# KiCad board EOutside.kicad_pcb (continued)
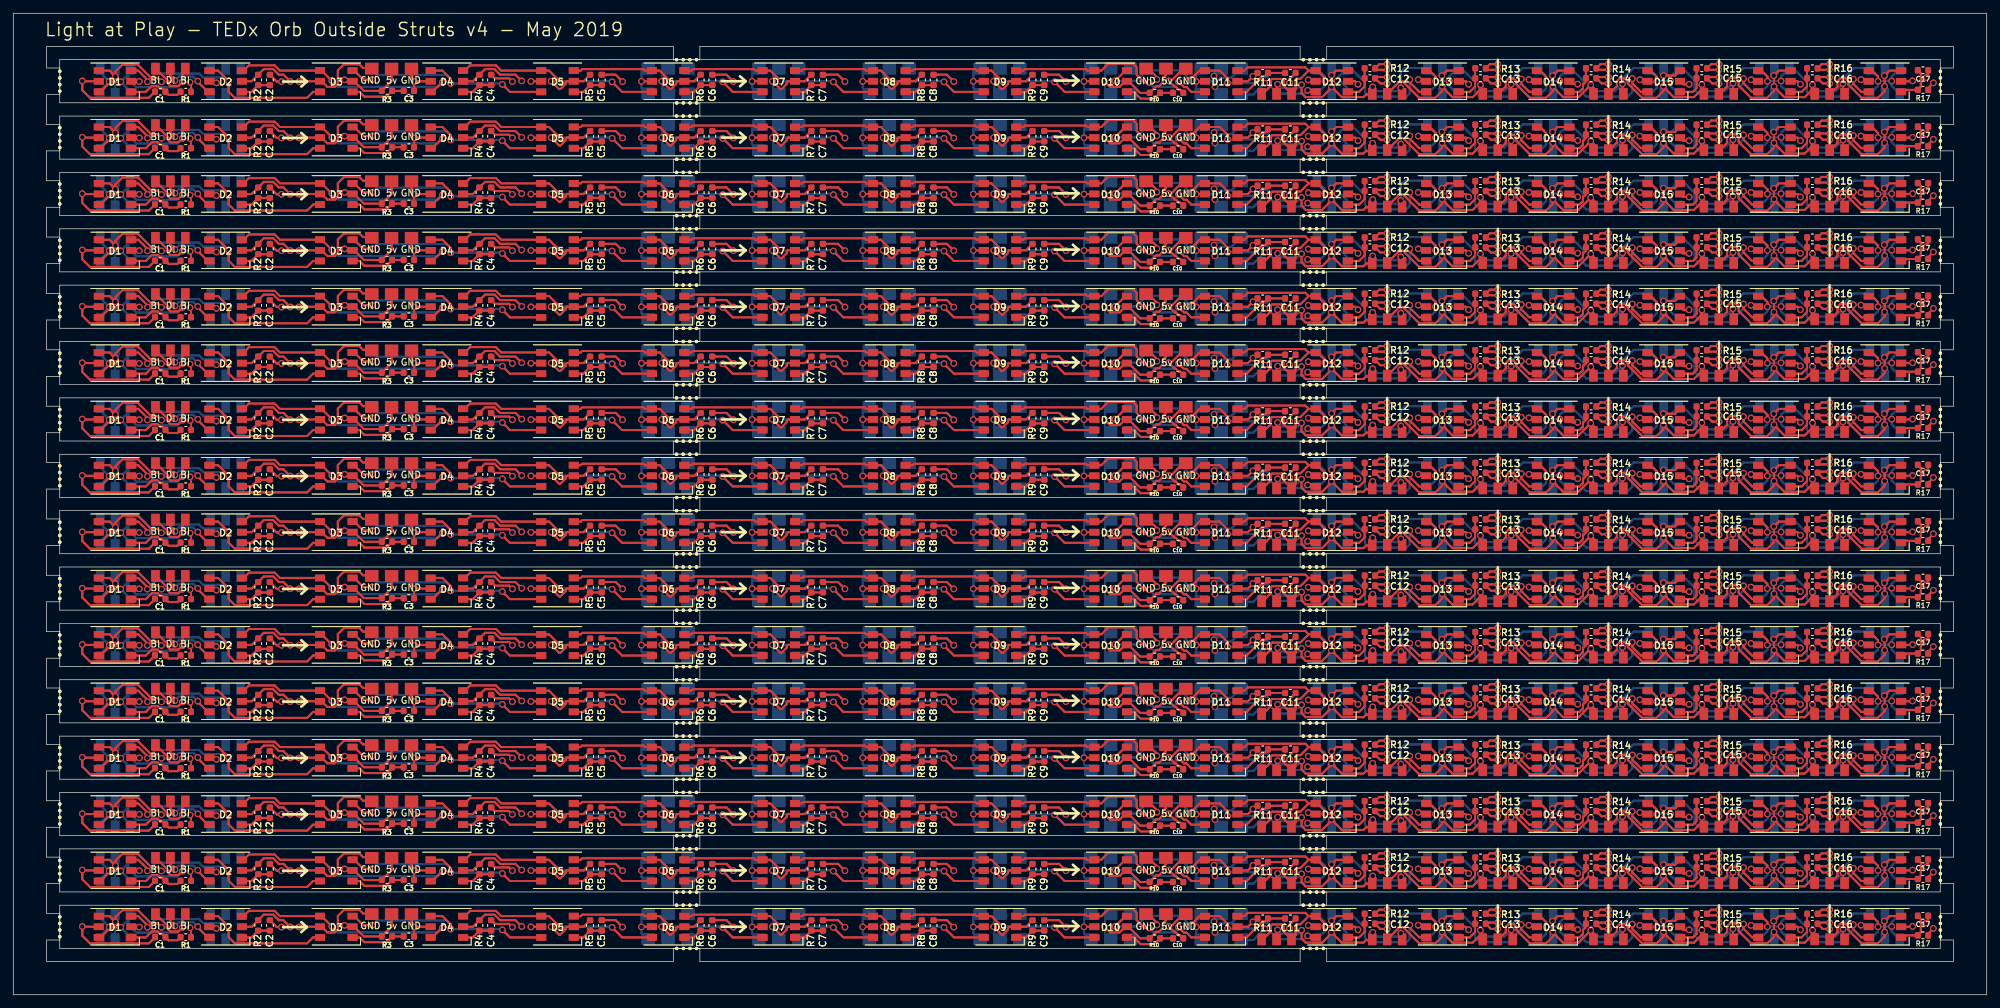
[diagram p0: board, top side]
## Routing (per net, layer and track width the routed paths; a pad name or vN(x,y) marks a point on that pad's centre or on a via; arc(x,y) is an arc through that point) (continued)
GND: length 4982.1
  Top w0.3: 161.34,137.75 v1(161.32,137.73) 161.34,137.75 ; 161.34,137.75 D10.5 161.34,137.75 ; 144.67,137.75 v1(144.65,137.73) 144.67,137.75 ; 144.67,137.75 D9.5 144.67,137.75 ; 128.01,137.75 v1(127.99,137.73) 128.01,137.75 ; 128.01,137.75 D8.5 128.01,137.75 ; 111.34,137.75 v1(111.32,137.73) 111.34,137.75 ; 111.34,137.75 D7.5 111.34,137.75 ; 94.67,137.75 v1(94.65,137.73) 94.67,137.75 ; 94.67,137.75 D6.5 94.67,137.75 ; 78.01,137.75 v1(77.99,137.73) 78.01,137.75 ; 78.01,137.75 D5.5 78.01,137.75 ; 228.5,137.75 228.35,137.9 ; 228.5,137.75 D14.5 228.5,137.75 ; 228.5,137.75 228.35,137.9 ; 228.35,137.9 v1(228.35,137.99) 228.35,137.9 ; 222.02,138.38 221.85,138.2 ; 222.02,138.38 223.67,138.38 222.02,138.38 ; 222.02,138.38 221.85,138.2 ; 221.85,138.2 221.9,138.25 221.85,138.2 ; 221.85,138.2 222.62,137.43 ; 221.85,138.2 222.62,137.43 ; 222.62,137.43 223.67,137.43 222.62,137.43 ; C14.2 238.57,138.25 C14.2 ; C14.2 239.29,137.43 ; C14.2 238.69,138.38 ; C14.2 238.69,138.38 ; C14.2 239.29,137.43 ; 239.29,137.43 240.33,137.43 239.29,137.43 ; 238.69,138.38 240.33,138.38 238.69,138.38 ; 255.36,138.38 257,138.38 255.36,138.38 ; 255.36,138.38 C15.2 ; 255.36,138.38 C15.2 ; C15.2 255.23,138.25 C15.2 ; C15.2 255.96,137.43 ; C15.2 255.96,137.43 ; 255.96,137.43 257,137.43 255.96,137.43 ; C16.2 271.9,138.25 C16.2 ; C16.2 272.62,137.43 ; C16.2 272.02,138.38 ; C16.2 272.02,138.38 ; C16.2 272.62,137.43 ; 272.02,138.38 273.67,138.38 272.02,138.38 ; 272.62,137.43 273.67,137.43 272.62,137.43 ; 272.02,129.88 273.67,129.88 272.02,129.88 ; 272.02,129.88 C16#2.2 ; 272.02,129.88 C16#2.2 ; C16#2.2 272.62,128.93 ; C16#2.2 271.9,129.75 C16#2.2 ; C16#2.2 272.62,128.93 ; 272.62,128.93 273.67,128.93 272.62,128.93 ; 255.96,128.93 C15#2.2 ; 255.96,128.93 257,128.93 255.96,128.93 ; 255.96,128.93 C15#2.2 ; C15#2.2 255.36,129.88 ; C15#2.2 255.23,129.75 C15#2.2 ; C15#2.2 255.36,129.88 ; 255.36,129.88 257,129.88 255.36,129.88 ; 238.69,129.88 C14#2.2 ; 238.69,129.88 240.33,129.88 238.69,129.88 ; 238.69,129.88 C14#2.2 ; C14#2.2 239.29,128.93 ; C14#2.2 238.57,129.75 C14#2.2 ; C14#2.2 239.29,128.93 ; 239.29,128.93 240.33,128.93 239.29,128.93 ; 279.32,129.48 279.09,129.48 ; 279.32,129.48 279.55,129.25 279.32,129.48 ; 279.32,129.48 279.09,129.48 ; 279.09,129.48 v1(278.38,129.48) 279.09,129.48 ; 262.66,129.47 262.53,129.47 ; 262.66,129.47 D16#2.5 262.66,129.47 ; 262.66,129.47 262.53,129.47 ; 262.53,129.47 v1(261.82,129.47) 262.53,129.47 ; 245.78,129.48 v1(245.07,129.48) 245.78,129.48 ; 245.78,129.48 245.99,129.48 ; 245.78,129.48 245.99,129.48 ; 245.99,129.48 D15#2.5 245.99,129.48 ; 178.25,129.25 v1(178.22,129.22) 178.25,129.25 ; 178.25,129.25 D11#2.5 178.25,129.25 ; 176.38,131.25 176.67,131.25 176.38,131.25 ; 176.38,131.25 174.43,129.3 ; 176.38,131.25 174.43,129.3 ; 174.43,129.3 v1(174.1,129.3) ; 174.43,129.3 v1(174.1,129.3) ; v1(174.1,129.3) 175.03,128.38 ; v1(174.1,129.3) 175.03,128.38 ; 222.62,128.93 223.67,128.93 222.62,128.93 ; 222.62,128.93 221.85,129.7 ; 222.62,128.93 221.85,129.7 ; 222.02,129.88 223.67,129.88 222.02,129.88 ; 222.02,129.88 221.85,129.7 ; 222.02,129.88 221.85,129.7 ; 221.85,129.7 221.9,129.75 221.85,129.7 ; 205.96,128.93 207,128.93 205.96,128.93 ; 205.96,128.93 C12#2.2 ; 205.96,128.93 C12#2.2 ; 205.36,129.88 207,129.88 205.36,129.88 ; 205.36,129.88 C12#2.2 ; 205.36,129.88 C12#2.2 ; C12#2.2 205.23,129.75 C12#2.2 ; 228.5,129.25 D14#2.5 228.5,129.25 ; 228.5,129.25 228.35,129.4 ; 228.5,129.25 228.35,129.4 ; 228.35,129.4 v1(228.35,129.49) 228.35,129.4 ; 60.39,129.19 v1(60.4,129.2) ; 60.39,129.19 C3#2.2 60.39,129.19 ; 60.39,129.19 v1(60.4,129.2) ; v1(60.4,129.2) 60,129.6 ; v1(60.4,129.2) 60.45,129.25 ; v1(60.4,129.2) 60,129.6 ; v1(60.4,129.2) 60.45,129.25 ; 11.55,126.75 10.4,127.9 ; 11.55,126.75 20.42,126.75 ; 11.55,126.75 10.4,127.9 ; 11.55,126.75 20.42,126.75 ; 10.4,127.9 10.4,128.59 ; 10.4,127.9 10.4,128.59 ; 60,129.6 60,131.25 60,129.6 ; 20.42,126.75 C1#2.2 20.42,126.75 ; 60.45,129.25 D4#2.5 60.45,129.25 ; 10.4,128.59 v1(10.4,129.3) ; 10.4,128.59 v1(10.4,129.3) ; v1(10.4,129.3) 10.45,129.25 ; v1(10.4,129.3) 10.45,129.25 ; 288.52,130.07 C17#2.2 288.52,130.07 ; 288.52,130.07 v1(288.25,129.8) 288.52,130.07 ; 10.45,129.25 D1#2.5 10.45,129.25 ; 211.83,129.25 D13#2.5 211.83,129.25 ; 211.83,129.25 211.69,129.4 ; 211.83,129.25 211.69,129.4 ; 211.69,129.4 v1(211.69,129.49) 211.69,129.4 ; 30.6,129.25 30.61,129.24 ; 30.6,129.25 D2#2.5 30.6,129.25 ; 30.6,129.25 30.61,129.24 ; 30.61,129.24 v1(30.61,129) 30.61,129.24 ; 170.92,131.25 172.3,129.87 ; 170.92,131.25 170.67,131.25 170.92,131.25 ; 170.92,131.25 172.3,129.87 ; 172.3,129.87 v1(172.3,129.53) 172.3,129.87 ; 192.3,129.6 C11#2.2 192.3,129.6 ; 192.3,129.6 v1(192.3,129.03) 192.3,129.6 ; 175.6,127.96 175.19,128.38 ; 175.6,127.96 175.83,127.96 ; 175.6,127.96 175.19,128.38 ; 175.6,127.96 175.83,127.96 ; 175.19,128.38 175.03,128.38 ; 175.19,128.38 175.03,128.38 ; 195.17,129.25 D12#2.5 195.17,129.25 ; 195.17,129.25 195.12,129.3 ; 195.17,129.25 195.12,129.3 ; 195.12,129.3 v1(195.12,129.45) 195.12,129.3 ; 47.32,128.4 46.47,129.25 ; 47.32,128.4 48.43,128.4 ; 47.32,128.4 46.47,129.25 ; 47.32,128.4 48.43,128.4 ; 46.47,129.25 D3#2.5 ; 46.47,129.25 D3#2.5 ; 72.54,129.69 C4#2.2 72.54,129.69 ; 72.54,129.69 74.71,129.69 ; 72.54,129.69 74.71,129.69 ; 74.71,129.69 v1(75.2,129.2) 74.71,129.69 ; 175.83,127.96 C10#2.2 175.83,127.96 ; 52.7,131.25 52.15,131.8 ; 52.7,131.25 54,131.25 52.7,131.25 ; 52.7,131.25 52.15,131.8 ; 52.15,131.8 49.82,131.8 ; 52.15,131.8 49.82,131.8 ; 48.9,128.87 48.43,128.4 ; 48.9,128.87 48.9,130.88 ; 48.9,128.87 48.43,128.4 ; 48.9,128.87 48.9,130.88 ; 48.9,130.88 49.82,131.8 ; 48.9,130.88 49.82,131.8 ; D3#2.5 43.09,129.25 ; D3#2.5 43.09,129.25 ; 144.67,129.25 D9#2.5 144.67,129.25 ; 144.67,129.25 v1(144.65,129.23) 144.67,129.25 ; 161.34,129.25 D10#2.5 161.34,129.25 ; 161.34,129.25 v1(161.32,129.23) 161.34,129.25 ; 111.34,129.25 v1(111.32,129.23) 111.34,129.25 ; 111.34,129.25 D7#2.5 111.34,129.25 ; 43.09,129.25 v1(43.05,129.21) 43.09,129.25 ; 128.01,129.25 D8#2.5 128.01,129.25 ; 128.01,129.25 v1(127.99,129.23) 128.01,129.25 ; 39.69,129.2 C2#2.2 39.69,129.2 ; 39.69,129.2 39.71,129.2 ; 39.69,129.2 39.71,129.2 ; 39.71,129.2 v1(40.42,129.2) 39.71,129.2 ; 94.67,129.25 D6#2.5 94.67,129.25 ; 94.67,129.25 v1(94.65,129.23) 94.67,129.25 ; 78.01,129.25 v1(77.99,129.23) 78.01,129.25 ; 78.01,129.25 D5#2.5 78.01,129.25 ; 90.76,130.24 C5#2.2 90.76,130.24 ; 90.76,130.24 91.3,129.7 ; 90.76,130.24 91.3,129.7 ; 91.3,129.7 v1(91.8,129.2) 91.3,129.7 ; 107.46,130.24 C6#2.2 107.46,130.24 ; 107.46,130.24 108,129.7 ; 107.46,130.24 108,129.7 ; 140.66,130.24 141.2,129.7 ; 140.66,130.24 C8#2.2 140.66,130.24 ; 140.66,130.24 141.2,129.7 ; 141.2,129.7 v1(141.7,129.2) 141.2,129.7 ; 124.26,130.24 124.8,129.7 ; 124.26,130.24 C7#2.2 124.26,130.24 ; 124.26,130.24 124.8,129.7 ; 124.8,129.7 v1(125.3,129.2) 124.8,129.7 ; 108,129.7 v1(108.5,129.2) 108,129.7 ; 157.56,130.24 158.1,129.7 ; 157.56,130.24 C9#2.2 157.56,130.24 ; 157.56,130.24 158.1,129.7 ; 158.1,129.7 v1(158.6,129.2) 158.1,129.7 ; 272.02,121.38 273.67,121.38 272.02,121.38 ; 272.02,121.38 C16#3.2 ; 272.02,121.38 C16#3.2 ; C16#3.2 272.62,120.43 ; C16#3.2 271.9,121.25 C16#3.2 ; C16#3.2 272.62,120.43 ; 272.62,120.43 273.67,120.43 272.62,120.43 ; 255.96,120.43 C15#3.2 ; 255.96,120.43 257,120.43 255.96,120.43 ; 255.96,120.43 C15#3.2 ; C15#3.2 255.36,121.38 ; C15#3.2 255.23,121.25 C15#3.2 ; C15#3.2 255.36,121.38 ; 255.36,121.38 257,121.38 255.36,121.38 ; 238.69,121.38 C14#3.2 ; 238.69,121.38 240.33,121.38 238.69,121.38 ; 238.69,121.38 C14#3.2 ; C14#3.2 239.29,120.43 ; C14#3.2 238.57,121.25 C14#3.2 ; C14#3.2 239.29,120.43 ; 239.29,120.43 240.33,120.43 239.29,120.43 ; 279.32,120.98 279.09,120.98 ; 279.32,120.98 279.55,120.75 279.32,120.98 ; 279.32,120.98 279.09,120.98 ; 279.09,120.98 v1(278.38,120.98) 279.09,120.98 ; 262.66,120.97 262.53,120.97 ; 262.66,120.97 D16#3.5 262.66,120.97 ; 262.66,120.97 262.53,120.97 ; 262.53,120.97 v1(261.82,120.97) 262.53,120.97 ; 245.78,120.98 v1(245.07,120.98) 245.78,120.98 ; 245.78,120.98 245.99,120.98 ; 245.78,120.98 245.99,120.98 ; 245.99,120.98 D15#3.5 245.99,120.98 ; 178.25,120.75 v1(178.22,120.72) 178.25,120.75 ; 178.25,120.75 D11#3.5 178.25,120.75 ; 176.38,122.75 176.67,122.75 176.38,122.75 ; 176.38,122.75 174.43,120.8 ; 176.38,122.75 174.43,120.8 ; 174.43,120.8 v1(174.1,120.8) ; 174.43,120.8 v1(174.1,120.8) ; v1(174.1,120.8) 175.03,119.88 ; v1(174.1,120.8) 175.03,119.88 ; 222.62,120.43 223.67,120.43 222.62,120.43 ; 222.62,120.43 221.85,121.2 ; 222.62,120.43 221.85,121.2 ; 222.02,121.38 223.67,121.38 222.02,121.38 ; 222.02,121.38 221.85,121.2 ; 222.02,121.38 221.85,121.2 ; 221.85,121.2 221.9,121.25 221.85,121.2 ; 205.96,120.43 207,120.43 205.96,120.43 ; 205.96,120.43 C12#3.2 ; 205.96,120.43 C12#3.2 ; 205.36,121.38 207,121.38 205.36,121.38 ; 205.36,121.38 C12#3.2 ; 205.36,121.38 C12#3.2 ; C12#3.2 205.23,121.25 C12#3.2 ; 228.5,120.75 D14#3.5 228.5,120.75 ; 228.5,120.75 228.35,120.9 ; 228.5,120.75 228.35,120.9 ; 228.35,120.9 v1(228.35,120.99) 228.35,120.9 ; 60.39,120.69 v1(60.4,120.7) ; 60.39,120.69 C3#4.2 60.39,120.69 ; 60.39,120.69 v1(60.4,120.7) ; v1(60.4,120.7) 60,121.1 ; v1(60.4,120.7) 60.45,120.75 ; v1(60.4,120.7) 60,121.1 ; v1(60.4,120.7) 60.45,120.75 ; 11.55,118.25 10.4,119.4 ; 11.55,118.25 20.42,118.25 ; 11.55,118.25 10.4,119.4 ; 11.55,118.25 20.42,118.25 ; 10.4,119.4 10.4,120.09 ; 10.4,119.4 10.4,120.09 ; 60,121.1 60,122.75 60,121.1 ; 20.42,118.25 C1#3.2 20.42,118.25 ; 60.45,120.75 D4#3.5 60.45,120.75 ; 10.4,120.09 v1(10.4,120.8) ; 10.4,120.09 v1(10.4,120.8) ; v1(10.4,120.8) 10.45,120.75 ; v1(10.4,120.8) 10.45,120.75 ; 288.52,121.57 C17#3.2 288.52,121.57 ; 288.52,121.57 v1(288.25,121.3) 288.52,121.57 ; 10.45,120.75 D1#4.5 10.45,120.75 ; 211.83,120.75 D13#3.5 211.83,120.75 ; 211.83,120.75 211.69,120.9 ; 211.83,120.75 211.69,120.9 ; 211.69,120.9 v1(211.69,120.99) 211.69,120.9 ; 30.6,120.75 30.61,120.74 ; 30.6,120.75 D2#3.5 30.6,120.75 ; 30.6,120.75 30.61,120.74 ; 30.61,120.74 v1(30.61,120.5) 30.61,120.74 ; 170.92,122.75 172.3,121.37 ; 170.92,122.75 170.67,122.75 170.92,122.75 ; 170.92,122.75 172.3,121.37 ; 172.3,121.37 v1(172.3,121.03) 172.3,121.37 ; 192.3,121.1 C11#3.2 192.3,121.1 ; 192.3,121.1 v1(192.3,120.53) 192.3,121.1 ; 175.6,119.46 175.19,119.88 ; 175.6,119.46 175.83,119.46 ; 175.6,119.46 175.19,119.88 ; 175.6,119.46 175.83,119.46 ; 175.19,119.88 175.03,119.88 ; 175.19,119.88 175.03,119.88 ; 195.17,120.75 D12#3.5 195.17,120.75 ; 195.17,120.75 195.12,120.8 ; 195.17,120.75 195.12,120.8 ; 195.12,120.8 v1(195.12,120.95) 195.12,120.8 ; 47.32,119.9 46.47,120.75 ; 47.32,119.9 48.43,119.9 ; 47.32,119.9 46.47,120.75 ; 47.32,119.9 48.43,119.9 ; 46.47,120.75 D3#3.5 ; 46.47,120.75 D3#3.5 ; 72.54,121.19 C4#4.2 72.54,121.19 ; 72.54,121.19 74.71,121.19 ; 72.54,121.19 74.71,121.19 ; 74.71,121.19 v1(75.2,120.7) 74.71,121.19 ; 175.83,119.46 C10#3.2 175.83,119.46 ; 52.7,122.75 52.15,123.3 ; 52.7,122.75 54,122.75 52.7,122.75 ; 52.7,122.75 52.15,123.3 ; 52.15,123.3 49.82,123.3 ; 52.15,123.3 49.82,123.3 ; 48.9,120.37 48.43,119.9 ; 48.9,120.37 48.9,122.38 ; 48.9,120.37 48.43,119.9 ; 48.9,120.37 48.9,122.38 ; 48.9,122.38 49.82,123.3 ; 48.9,122.38 49.82,123.3 ; D3#3.5 43.09,120.75 ; D3#3.5 43.09,120.75 ; 144.67,120.75 D9#3.5 144.67,120.75 ; 144.67,120.75 v1(144.65,120.73) 144.67,120.75 ; 161.34,120.75 D10#3.5 161.34,120.75 ; 161.34,120.75 v1(161.32,120.73) 161.34,120.75 ; 111.34,120.75 v1(111.32,120.73) 111.34,120.75 ; 111.34,120.75 D7#3.5 111.34,120.75 ; 43.09,120.75 v1(43.05,120.71) 43.09,120.75 ; 128.01,120.75 D8#3.5 128.01,120.75 ; 128.01,120.75 v1(127.99,120.73) 128.01,120.75 ; 39.69,120.7 C2#4.2 39.69,120.7 ; 39.69,120.7 39.71,120.7 ; 39.69,120.7 39.71,120.7 ; 39.71,120.7 v1(40.42,120.7) 39.71,120.7 ; 94.67,120.75 D6#4.5 94.67,120.75 ; 94.67,120.75 v1(94.65,120.73) 94.67,120.75 ; 78.01,120.75 v1(77.99,120.73) 78.01,120.75 ; 78.01,120.75 D5#3.5 78.01,120.75 ; 90.76,121.74 C5#4.2 90.76,121.74 ; 90.76,121.74 91.3,121.2 ; 90.76,121.74 91.3,121.2 ; 91.3,121.2 v1(91.8,120.7) 91.3,121.2 ; 107.46,121.74 C6#3.2 107.46,121.74 ; 107.46,121.74 108,121.2 ; 107.46,121.74 108,121.2 ; 140.66,121.74 141.2,121.2 ; 140.66,121.74 C8#3.2 140.66,121.74 ; 140.66,121.74 141.2,121.2 ; 141.2,121.2 v1(141.7,120.7) 141.2,121.2 ; 124.26,121.74 124.8,121.2 ; 124.26,121.74 C7#3.2 124.26,121.74 ; 124.26,121.74 124.8,121.2 ; 124.8,121.2 v1(125.3,120.7) 124.8,121.2 ; 108,121.2 v1(108.5,120.7) 108,121.2 ; 157.56,121.74 158.1,121.2 ; 157.56,121.74 C9#3.2 157.56,121.74 ; 157.56,121.74 158.1,121.2 ; 158.1,121.2 v1(158.6,120.7) 158.1,121.2 ; 239.29,111.93 C14#4.2 ; 239.29,111.93 240.33,111.93 239.29,111.93 ; 239.29,111.93 C14#4.2 ; C14#4.2 238.57,112.75 C14#4.2 ; C14#4.2 238.69,112.88 ; C14#4.2 238.69,112.88 ; 222.62,111.93 223.67,111.93 222.62,111.93 ; 222.62,111.93 221.85,112.7 ; 222.62,111.93 221.85,112.7 ; 222.02,112.88 223.67,112.88 222.02,112.88 ; 222.02,112.88 221.85,112.7 ; 222.02,112.88 221.85,112.7 ; 221.85,112.7 221.9,112.75 221.85,112.7 ; 205.96,111.93 207,111.93 205.96,111.93 ; 205.96,111.93 C12#4.2 ; 205.96,111.93 C12#4.2 ; 205.36,112.88 207,112.88 205.36,112.88 ; 205.36,112.88 C12#4.2 ; 205.36,112.88 C12#4.2 ; C12#4.2 205.23,112.75 C12#4.2 ; 228.5,112.25 D14#4.5 228.5,112.25 ; 228.5,112.25 228.35,112.4 ; 228.5,112.25 228.35,112.4 ; 228.35,112.4 v1(228.35,112.49) 228.35,112.4 ; 60.39,112.19 v1(60.4,112.2) ; 60.39,112.19 C3#3.2 60.39,112.19 ; 60.39,112.19 v1(60.4,112.2) ; v1(60.4,112.2) 60,112.6 ; v1(60.4,112.2) 60.45,112.25 ; v1(60.4,112.2) 60,112.6 ; v1(60.4,112.2) 60.45,112.25 ; 11.55,109.75 10.4,110.9 ; 11.55,109.75 20.42,109.75 ; 11.55,109.75 10.4,110.9 ; 11.55,109.75 20.42,109.75 ; 10.4,110.9 10.4,111.59 ; 10.4,110.9 10.4,111.59 ; 60,112.6 60,114.25 60,112.6 ; 20.42,109.75 C1#4.2 20.42,109.75 ; 60.45,112.25 D4#4.5 60.45,112.25 ; 10.4,111.59 v1(10.4,112.3) ; 10.4,111.59 v1(10.4,112.3) ; v1(10.4,112.3) 10.45,112.25 ; v1(10.4,112.3) 10.45,112.25 ; 288.52,113.07 C17#4.2 288.52,113.07 ; 288.52,113.07 v1(288.25,112.8) 288.52,113.07 ; 10.45,112.25 D1#3.5 10.45,112.25 ; 211.83,112.25 D13#4.5 211.83,112.25 ; 211.83,112.25 211.69,112.4 ; 211.83,112.25 211.69,112.4 ; 211.69,112.4 v1(211.69,112.49) 211.69,112.4 ; 30.6,112.25 30.61,112.24 ; 30.6,112.25 D2#4.5 30.6,112.25 ; 30.6,112.25 30.61,112.24 ; 30.61,112.24 v1(30.61,112) 30.61,112.24 ; 170.92,114.25 172.3,112.87 ; 170.92,114.25 170.67,114.25 170.92,114.25 ; 170.92,114.25 172.3,112.87 ; 172.3,112.87 v1(172.3,112.53) 172.3,112.87 ; 192.3,112.6 C11#4.2 192.3,112.6 ; 192.3,112.6 v1(192.3,112.03) 192.3,112.6 ; 175.6,110.96 175.19,111.38 ; 175.6,110.96 175.83,110.96 ; 175.6,110.96 175.19,111.38 ; 175.6,110.96 175.83,110.96 ; 175.19,111.38 175.03,111.38 ; 175.19,111.38 175.03,111.38 ; 175.03,111.38 v1(174.1,112.3) ; 175.03,111.38 v1(174.1,112.3) ; 195.17,112.25 D12#4.5 195.17,112.25 ; 195.17,112.25 195.12,112.3 ; 195.17,112.25 195.12,112.3 ; 195.12,112.3 v1(195.12,112.45) 195.12,112.3 ; 47.32,111.4 46.47,112.25 ; 47.32,111.4 48.43,111.4 ; 47.32,111.4 46.47,112.25 ; 47.32,111.4 48.43,111.4 ; 46.47,112.25 D3#4.5 ; 46.47,112.25 D3#4.5 ; 72.54,112.69 C4#3.2 72.54,112.69 ; 72.54,112.69 74.71,112.69 ; 72.54,112.69 74.71,112.69 ; 74.71,112.69 v1(75.2,112.2) 74.71,112.69 ; v1(174.1,112.3) 174.43,112.3 ; v1(174.1,112.3) 174.43,112.3 ; 175.83,110.96 C10#4.2 175.83,110.96 ; 52.7,114.25 52.15,114.8 ; 52.7,114.25 54,114.25 52.7,114.25 ; 52.7,114.25 52.15,114.8 ; 52.15,114.8 49.82,114.8 ; 52.15,114.8 49.82,114.8 ; 48.9,111.87 48.43,111.4 ; 48.9,111.87 48.9,113.88 ; 48.9,111.87 48.43,111.4 ; 48.9,111.87 48.9,113.88 ; 48.9,113.88 49.82,114.8 ; 48.9,113.88 49.82,114.8 ; D3#4.5 43.09,112.25 ; D3#4.5 43.09,112.25 ; 144.67,112.25 D9#4.5 144.67,112.25 ; 144.67,112.25 v1(144.65,112.23) 144.67,112.25 ; 161.34,112.25 D10#4.5 161.34,112.25 ; 161.34,112.25 v1(161.32,112.23) 161.34,112.25 ; 111.34,112.25 v1(111.32,112.23) 111.34,112.25 ; 111.34,112.25 D7#4.5 111.34,112.25 ; 43.09,112.25 v1(43.05,112.21) 43.09,112.25 ; 128.01,112.25 D8#4.5 128.01,112.25 ; 128.01,112.25 v1(127.99,112.23) 128.01,112.25 ; 39.69,112.2 C2#3.2 39.69,112.2 ; 39.69,112.2 39.71,112.2 ; 39.69,112.2 39.71,112.2 ; 39.71,112.2 v1(40.42,112.2) 39.71,112.2 ; 94.67,112.25 D6#3.5 94.67,112.25 ; 94.67,112.25 v1(94.65,112.23) 94.67,112.25 ; 78.01,112.25 v1(77.99,112.23) 78.01,112.25 ; 78.01,112.25 D5#4.5 78.01,112.25 ; 90.76,113.24 C5#3.2 90.76,113.24 ; 90.76,113.24 91.3,112.7 ; 90.76,113.24 91.3,112.7 ; 91.3,112.7 v1(91.8,112.2) 91.3,112.7 ; 107.46,113.24 C6#4.2 107.46,113.24 ; 107.46,113.24 108,112.7 ; 107.46,113.24 108,112.7 ; 140.66,113.24 141.2,112.7 ; 140.66,113.24 C8#4.2 140.66,113.24 ; 140.66,113.24 141.2,112.7 ; 141.2,112.7 v1(141.7,112.2) 141.2,112.7 ; 124.26,113.24 124.8,112.7 ; 124.26,113.24 C7#4.2 124.26,113.24 ; 124.26,113.24 124.8,112.7 ; 124.8,112.7 v1(125.3,112.2) 124.8,112.7 ; 108,112.7 v1(108.5,112.2) 108,112.7 ; 157.56,113.24 158.1,112.7 ; 157.56,113.24 C9#4.2 157.56,113.24 ; 157.56,113.24 158.1,112.7 ; 158.1,112.7 v1(158.6,112.2) 158.1,112.7 ; 279.32,112.48 279.55,112.25 279.32,112.48 ; 279.32,112.48 279.09,112.48 ; 279.32,112.48 279.09,112.48 ; 279.09,112.48 v1(278.38,112.48) 279.09,112.48 ; 174.43,112.3 176.38,114.25 ; 174.43,112.3 176.38,114.25 ; 272.62,111.93 273.67,111.93 272.62,111.93 ; 272.62,111.93 C16#4.2 ; 272.62,111.93 C16#4.2 ; 176.38,114.25 176.67,114.25 176.38,114.25 ; 178.25,112.25 D11#4.5 178.25,112.25 ; 178.25,112.25 v1(178.22,112.22) 178.25,112.25 ; 262.66,112.47 262.53,112.47 ; 262.66,112.47 D16#4.5 262.66,112.47 ; 262.66,112.47 262.53,112.47 ; 262.53,112.47 v1(261.82,112.47) 262.53,112.47 ; 245.99,112.48 245.78,112.48 ; 245.99,112.48 D15#4.5 245.99,112.48 ; 245.99,112.48 245.78,112.48 ; 245.78,112.48 v1(245.07,112.48) 245.78,112.48 ; 255.36,112.88 257,112.88 255.36,112.88 ; 255.36,112.88 C15#4.2 ; 255.36,112.88 C15#4.2 ; 238.69,112.88 240.33,112.88 238.69,112.88 ; 272.02,112.88 C16#4.2 ; 272.02,112.88 273.67,112.88 272.02,112.88 ; 272.02,112.88 C16#4.2 ; C16#4.2 271.9,112.75 C16#4.2 ; C15#4.2 255.23,112.75 C15#4.2 ; C15#4.2 255.96,111.93 ; C15#4.2 255.96,111.93 ; 255.96,111.93 257,111.93 255.96,111.93 ; 279.32,137.98 279.09,137.98 ; 279.32,137.98 279.55,137.75 279.32,137.98 ; 279.32,137.98 279.09,137.98 ; 279.09,137.98 v1(278.38,137.98) 279.09,137.98 ; 262.66,137.97 262.53,137.97 ; 262.66,137.97 D16.5 262.66,137.97 ; 262.66,137.97 262.53,137.97 ; 262.53,137.97 v1(261.82,137.97) 262.53,137.97 ; 245.78,137.98 v1(245.07,137.98) 245.78,137.98 ; 245.78,137.98 245.99,137.98 ; 245.78,137.98 245.99,137.98 ; 245.99,137.98 D15.5 245.99,137.98 ; 178.25,137.75 v1(178.22,137.72) 178.25,137.75 ; 178.25,137.75 D11.5 178.25,137.75 ; 176.38,139.75 176.67,139.75 176.38,139.75 ; 176.38,139.75 174.43,137.8 ; 176.38,139.75 174.43,137.8 ; 174.43,137.8 v1(174.1,137.8) ; 174.43,137.8 v1(174.1,137.8) ; v1(174.1,137.8) 175.03,136.88 ; v1(174.1,137.8) 175.03,136.88 ; 205.96,137.43 207,137.43 205.96,137.43 ; 205.96,137.43 C12.2 ; 205.96,137.43 C12.2 ; 205.36,138.38 207,138.38 205.36,138.38 ; 205.36,138.38 C12.2 ; 205.36,138.38 C12.2 ; C12.2 205.23,138.25 C12.2 ; 60.39,137.69 v1(60.4,137.7) ; 60.39,137.69 C3.2 60.39,137.69 ; 60.39,137.69 v1(60.4,137.7) ; v1(60.4,137.7) 60,138.1 ; v1(60.4,137.7) 60.45,137.75 ; v1(60.4,137.7) 60.45,137.75 ; v1(60.4,137.7) 60,138.1 ; 11.55,135.25 10.4,136.4 ; 11.55,135.25 20.42,135.25 ; 11.55,135.25 20.42,135.25 ; 11.55,135.25 10.4,136.4 ; 10.4,136.4 10.4,137.09 ; 10.4,136.4 10.4,137.09 ; 60,138.1 60,139.75 60,138.1 ; 20.42,135.25 C1.2 20.42,135.25 ; 60.45,137.75 D4.5 60.45,137.75 ; 10.4,137.09 v1(10.4,137.8) ; 10.4,137.09 v1(10.4,137.8) ; v1(10.4,137.8) 10.45,137.75 ; v1(10.4,137.8) 10.45,137.75 ; 288.52,138.57 C17.2 288.52,138.57 ; 288.52,138.57 v1(288.25,138.3) 288.52,138.57 ; 10.45,137.75 D1.5 10.45,137.75 ; 211.83,137.75 D13.5 211.83,137.75 ; 211.83,137.75 211.69,137.9 ; 211.83,137.75 211.69,137.9 ; 211.69,137.9 v1(211.69,137.99) 211.69,137.9 ; 30.6,137.75 30.61,137.74 ; 30.6,137.75 D2.5 30.6,137.75 ; 30.6,137.75 30.61,137.74 ; 30.61,137.74 v1(30.61,137.5) 30.61,137.74 ; 170.92,139.75 172.3,138.37 ; 170.92,139.75 170.67,139.75 170.92,139.75 ; 170.92,139.75 172.3,138.37 